# Altium PCB pqm_v2_310816.PcbDoc (part 1 of 2) (continued)
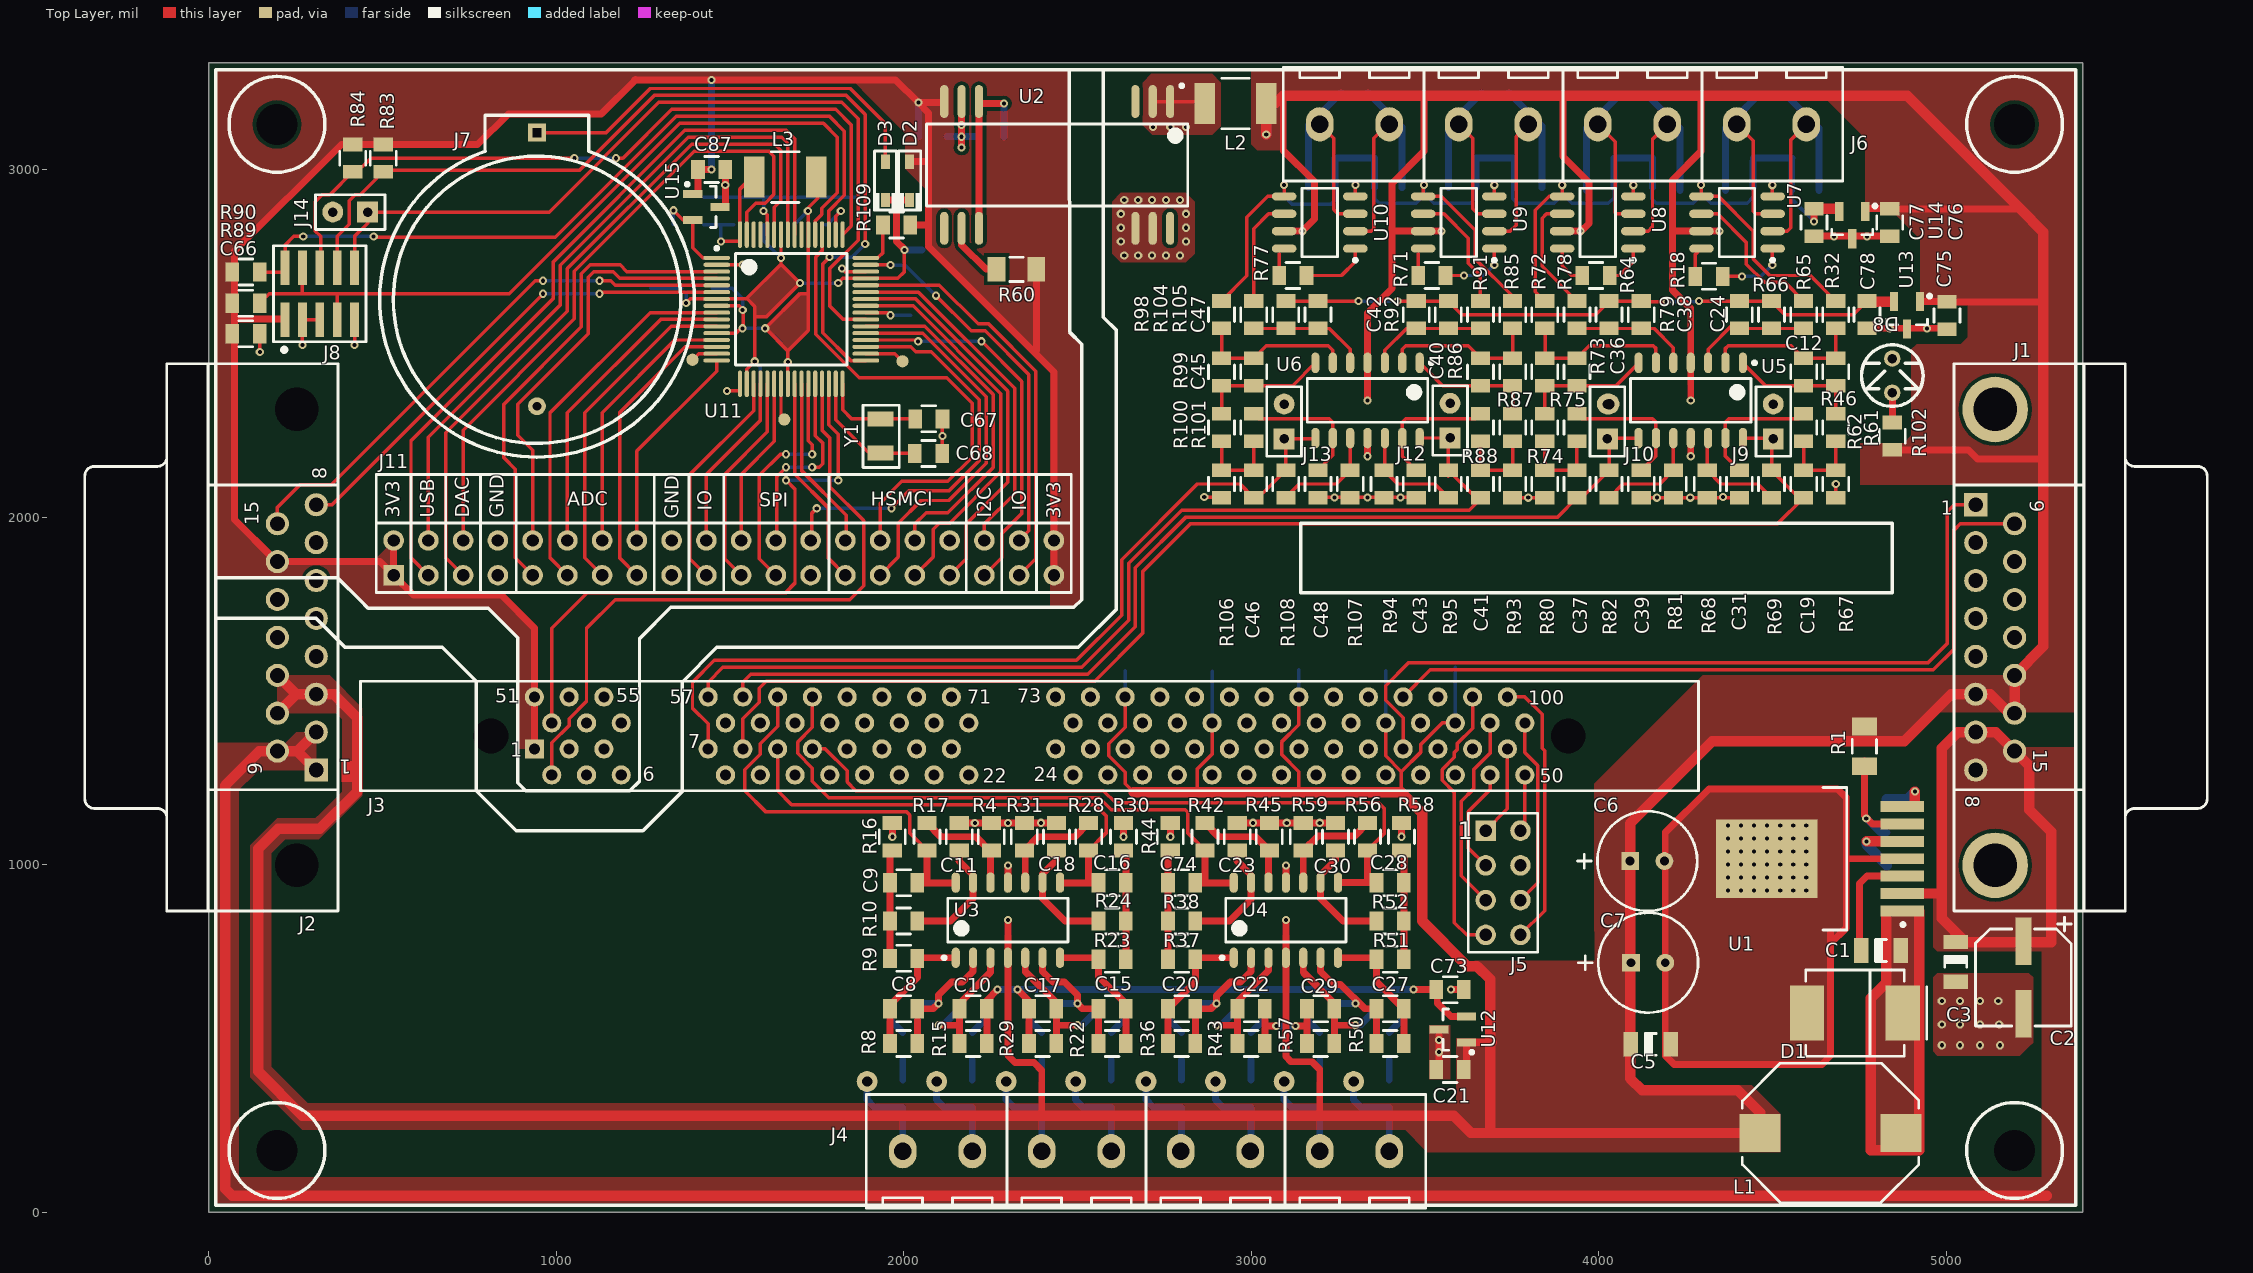
[diagram p0: Top Layer view]
## Components (designator, comment, footprint, x,y, rotation, side; value= is the part's Value field where it differs from the comment) (continued)
R104 "RES_RC0805FR-073K16L_YAGEO" RESC2013X065BN 3007.5,2582.5 r90 top
R105 "RES_RC0805FR-074K7L_YAGEO" RESC2013X065BN 3100,2582.5 r90 top
R106 "RES_RC0805FR-079K31L_YAGEO" RESC2013X065BN 2915,2095 r90 top
R107 "RES_RC0805FR-0710KL_YAGEO" RESC2013X065BN 3285,2095 r270 top
R108 "RES_RC0805FR-0710KL_YAGEO" RESC2013X065BN 3100,2095 r270 top
R109 "RES_AC0805JR-07100KL_YAGEO" RESC2013X065BN 1980,2840 r0 top
R110 "RES_RC0805FR-071RL_YAGEO" RESC2013X065BN 4497.5,3220 r0 bottom
R111 "RES_RC0805FR-07510KL_YAGEO" RESC2013X065BN 4195,3032.5 r0 bottom
R113 "RES_RC0805FR-07510KL_YAGEO" RESC2013X065BN 4005,3032.5 r0 bottom
R115 "RES_RC0805FR-07510KL_YAGEO" RESC2013X065BN 3797.5,3032.5 r0 bottom
R117 "RES_RC0805FR-07510KL_YAGEO" RESC2013X065BN 3605,3032.5 r0 bottom
R119 "RES_RC0805FR-07510KL_YAGEO" RESC2013X065BN 3395,3032.5 r0 bottom
R121 "RES_RC0805FR-07510KL_YAGEO" RESC2013X065BN 3205,3032.5 r0 bottom
U1 "IC_LM22673TJ-ADJ" TJ7A_N 4637.5,1016.63 r180 top
U2 "IC_DCR010503U_TI" SOP28 2441.87,3020.63 r270 top
U3 "IC_TLV2474_ANALOG" SOIC127P600-14AN 2300,840 r90 top
U4 "IC_TLV2474_ANALOG" SOIC127P600-14AN 3100,840 r90 top
U5 "IC_TLV2474_ANALOG" SOIC127P600-14AN 4265,2335.5 r270 top
U6 "IC_TLV2474_ANALOG" SOIC127P600-14AN 3335,2335.5 r270 top
U7 "IC_INA121U" SOIC127P600-8BN 4398.18,2847.5 r180 top
U8 "IC_INA121U" SOIC127P600-8BN 3997.5,2847.5 r180 top
U9 "IC_INA121U" SOIC127P600-8BN 3597.5,2847.5 r180 top
U10 "IC_INA121U" SOIC127P600-8BN 3197.5,2847.5 r180 top
U11 "IC_ATSAM4S8BA-AU_ATMEL" TQFP50P1000X1000X160-64N 1676.71,2597.97 r0 top
U12 "ISL21010_1V5" SOT23-3M 3580,525 r180 top
U13 "ISL21010_1V5" SOT23-3M 4887.4,2580.63 r270 top
U14 "ISL21010_2V5" SOT23-3M 4730,2840 r270 top
U15 "ISL21010_3V0" SOT23-3M 1432.5,2892.5 r0 top
Y1 "MSC_ECS-.327-12.5-34S-TR_ECS" XTAL3215X090N 1934.21,2232.97 r270 top

## Footprints (in the part's own frame and the unit in brackets; to place one, negate y for a bottom-side part, rotate by r counter-clockwise, add the part's x,y. Pads: shape width x height; smd on the part's side, far side on the other; paste and mask are expansions set on the pad)
788757-1#1 [mm] "Connector; D Subminiature AMPLIMITE 2000; 15 Position; Right Angle"
  rect 1.69x1.69 hole 1.09: 1(-9.695,-10.92)
  round 1.69 hole 1.09: 2(-6.925,-10.92) 3(-4.155,-10.92) 4(-1.385,-10.92) 5(1.385,-10.92) 6(4.155,-10.92) 7(6.925,-10.92) 8(9.695,-10.92) 9(-8.31,-8.08) 10(-5.54,-8.08) 11(-2.77,-8.08) 12(0,-8.08) 13(2.77,-8.08) 14(5.54,-8.08) 15(8.31,-8.08)
  round 4.8 hole 3.18: 16(-16.66,-9.5) 17(16.66,-9.5)
  silkscreen extent -20,-12.5 20,6
788757-1#2 [mm] "Connector; D Subminiature AMPLIMITE 2000; 15 Position; Right Angle"
  rect 1.69x1.69 hole 1.09: 1(-9.695,-10.92)
  round 1.69 hole 1.09: 2(-6.925,-10.92) 3(-4.155,-10.92) 4(-1.385,-10.92) 5(1.385,-10.92) 6(4.155,-10.92) 7(6.925,-10.92) 8(9.695,-10.92) 9(-8.31,-8.08) 10(-5.54,-8.08) 11(-2.77,-8.08) 12(0,-8.08) 13(2.77,-8.08) 14(5.54,-8.08) 15(8.31,-8.08)
  round 0 hole 3.18: 16(-16.66,-9.5) 17(16.66,-9.5)
  silkscreen extent -20,-12.5 20,6
BORNERAX8 [mm]
  oval 2x2.5 hole 1.3: 1(0,0) 2(5.08,0) 3(10.16,0) 4(15.24,0) 5(20.32,0) 6(25.4,0) 7(30.48,0) 8(35.56,0)
  silkscreen extent -2.66,-4.15 38.22,4.15, body extent -3.11,-4.05 38.1,4.05, height 10
CAPAE630770X770N [mm] "SMD Aluminum Electrolytic Capacitor; Body: 6.3x7.7 mm (DxL) // Source: UD series, Nichicon"
  rect 3.5x1.2 smd: 1(2.65,0) 2(-2.65,0)
  silkscreen extent -3.55,-3.5 4.4,3.5, body extent -3.65,-3.3 3.65,3.3, height 7.7
CAPC2013X110N [mm] "Chip Capacitor, 0805, Body 2.0x1.3mm, IPC Medium Density"
  rect 1x1.4 smd: 1(-1,0) 2(1,0)
  silkscreen extent -0.5,-0.95 0.5,0.95, body extent -1,-0.62 1,0.63, height 0.6
CAPC3216X135N_B [mm] "Chip Capacitor, 1206, UL840 2mm, Body 3.2x1.6mm, IPC Medium Density"
  rect 1.05x1.8 smd: 1(-1.45,0) 2(1.45,0)
  silkscreen extent -0.4,-0.8 0.4,0.8, body extent -1.6,-0.8 1.6,0.8, height 0.79
CAPPRD250W50D630H1250 [mm] "Capacitor, Polarized Radial Diameter, 2.5 Lead Spacing, 0.5 Lead Width, 6.3 Diameter, 12.5 Height"
  rect 1.3x1.3 hole 0.65: 1(0,-1.25)
  round 1.3 hole 0.65: 2(0,1.25)
  silkscreen extent -3.65,-5.1 3.65,3.65, body extent -3.18,-3.18 3.18,3.18, height 13.03
CON_BAT_2032 [mm]
  rect 1.3x1.3 hole 0.65 square: 1(12.223,0)
  round 1.3 hole 0.65: 2(-7.778,0)
  silkscreen extent -11.5,-11.5 13.51,11.5, body extent -11.44,-11 13.06,11, height 8.5
DIMM1.27-2V100 [mm] "Connector; DIMM II; 100 Position; Vertical"
  rect 1.4x1.4 hole 0.81: 1(-36.195,-0.95)
  round 1.4 hole 0.81: 2(-34.925,-2.85) 3(-33.655,-0.95) 4(-32.385,-2.85) 5(-31.115,-0.95) 6(-29.845,-2.85) 7(-23.495,-0.95) 8(-22.225,-2.85) 9(-20.955,-0.95) 10(-19.685,-2.85) 11(-18.415,-0.95) 12(-17.145,-2.85) 13(-15.875,-0.95) 14(-14.605,-2.85) 15(-13.335,-0.95) 16(-12.065,-2.85) 17(-10.795,-0.95) 18(-9.525,-2.85) 19(-8.255,-0.95) 20(-6.985,-2.85) 21(-5.715,-0.95) 22(-4.445,-2.85) 23(1.905,-0.95) 24(3.175,-2.85) 25(4.445,-0.95) 26(5.715,-2.85) 27(6.985,-0.95) 28(8.255,-2.85) 29(9.525,-0.95) 30(10.795,-2.85) 31(12.065,-0.95) 32(13.335,-2.85) 33(14.605,-0.95) 34(15.875,-2.85) 35(17.145,-0.95) 36(18.415,-2.85) 37(19.685,-0.95) 38(20.955,-2.85) 39(22.225,-0.95) 40(23.495,-2.85) 41(24.765,-0.95) 42(26.035,-2.85) 43(27.305,-0.95) 44(28.575,-2.85) 45(29.845,-0.95) 46(31.115,-2.85) 47(32.385,-0.95) 48(33.655,-2.85) 49(34.925,-0.95) 50(36.195,-2.85) 51(-36.195,2.85) 52(-34.925,0.95) 53(-33.655,2.85) 54(-32.385,0.95) 55(-31.115,2.85) 56(-29.845,0.95) 57(-23.495,2.85) 58(-22.225,0.95) 59(-20.955,2.85) 60(-19.685,0.95) 61(-18.415,2.85) 62(-17.145,0.95) 63(-15.875,2.85) 64(-14.605,0.95) 65(-13.335,2.85) 66(-12.065,0.95) 67(-10.795,2.85) 68(-9.525,0.95) 69(-8.255,2.85) 70(-6.985,0.95) 71(-5.715,2.85) 72(-4.445,0.95) 73(1.905,2.85) 74(3.175,0.95) 75(4.445,2.85) 76(5.715,0.95) 77(6.985,2.85) 78(8.255,0.95) 79(9.525,2.85) 80(10.795,0.95) 81(12.065,2.85) 82(13.335,0.95) 83(14.605,2.85) 84(15.875,0.95) 85(17.145,2.85) 86(18.415,0.95) 87(19.685,2.85) 88(20.955,0.95) 89(22.225,2.85) 90(23.495,0.95) 91(24.765,2.85) 92(26.035,0.95) 93(27.305,2.85) 94(28.575,0.95) 95(29.845,2.85) 96(31.115,0.95) 97(32.385,2.85) 98(33.655,0.95) 99(34.925,2.85) 100(36.195,0.95)
  round 0 hole 2.54: 101(-39.365,0) 102(39.365,0)
  silkscreen extent -48.9,-4 48.9,4, body extent -48.9,-4 48.9,4, height 23.82
DIOM7959X262N [mm] "Molded Diode, JEDEC DO-214AB (SMC), 7.9mmX5.9mm"
  rect 2.5x4 smd: 1(-3.5,0) 2(3.5,0)
  silkscreen extent -5.25,-3.15 3.6,3.15, body extent -3.98,-2.95 3.97,2.95, height 2.3
FCI_20021121-00010C4LF [mil] "CONNECTOR, MICRO TERMINAL STRIP, 10POS, 2ROW, 1.27MM"
  rect 100x25 smd: 1(-75,100) 2(75,100) 3(-75,50) 4(75,50) 5(-75,0) 6(75,0) 7(-75,-50) 8(75,-50) 9(-75,-100) 10(75,-100)
  silkscreen extent -163,-133 138,133, body extent -108,-125 108,125, height 176
HDR2X4 [mm]
  rect 1.5x1.5 hole 0.9: 1(0,0)
  round 1.5 hole 0.9: 2(0,2.54) 3(2.54,0) 4(2.54,2.54) 5(5.08,0) 6(5.08,2.54) 7(7.62,0) 8(7.62,2.54)
  silkscreen extent -1.27,-1.27 8.89,3.81, body extent -1.27,-1.27 8.89,3.81, height 9.27
HEADERX70 [mm]
  rect 1.5x1.5 hole 0.9: 1(-43.18,-1.27)
  round 1.5 hole 0.9: 2(-43.18,1.27) 3(-40.64,-1.27) 4(-40.64,1.27) 5(-38.1,-1.27) 6(-38.1,1.27) 7(-35.56,-1.27) 8(-35.56,1.27) 9(-33.02,-1.27) 10(-33.02,1.27) 11(-30.48,-1.27) 12(-30.48,1.27) 13(-27.94,-1.27) 14(-27.94,1.27) 15(-25.4,-1.27) 16(-25.4,1.27) 17(-22.86,-1.27) 18(-22.86,1.27) 19(-20.32,-1.27) 20(-20.32,1.27) 21(-17.78,-1.27) 22(-17.78,1.27) 23(-15.24,-1.27) 24(-15.24,1.27) 25(-12.7,-1.27) 26(-12.7,1.27) 27(-10.16,-1.27) 28(-10.16,1.27) 29(-7.62,-1.27) 30(-7.62,1.27) 31(-5.08,-1.27) 32(-5.08,1.27) 33(-2.54,-1.27) 34(-2.54,1.27) 35(0,-1.27) 36(0,1.27) 37(2.54,-1.27) 38(2.54,1.27) 39(5.08,-1.27) 40(5.08,1.27)
  silkscreen extent -44.45,-2.54 6.35,6.1
INDC4532X170N [mm] "Chip Inductor, Body 4.5x3.2mm, IPC Medium Density"
  rect 1.5x3 smd: 1(-2.25,0) 2(2.25,0)
  silkscreen extent -1,-1.85 1,1.85, body extent -2.25,-1.6 2.25,1.6
Led [mm]
  round 1.2 hole 0.7: 1(0,0) 2(2.5,0)
  silkscreen extent -1,-2.25 3.5,2.25, body extent -0.39,-1.65 2.91,1.64, height 6.02
MAG_INDUCTOR2A [mm] "Precision Wire Wound Inductor, 2-Leads, Body 12,7x10,0mm, IPC Medium Density"
  rect 3x2.8 smd: 1(-5.15,0) 2(5.15,0)
  silkscreen extent -6.45,-5.1 6.45,5.1, body extent -6.48,-5.15 6.5,5.1, height 5.2
RAD2 [mil] "Radial Cap, Thru-Hole; 2 Leads; 0.1 in Pin Spacing"
  rect 60x60 hole 27.56: 1(-50,0)
  round 60 hole 27.56: 2(50,0)
  silkscreen extent -100,-50 100,50, body extent -97,-51 103,47, height 330
RESC2013X065BN [mm] "Chip Resistor, 0805, Body 2.0x1.3mm, Pads modified for 1mm spacing."
  rect 1x1.4 smd: 1(-1,0) 2(1,0)
  silkscreen extent -0.5,-0.95 0.5,0.95, body extent -1,-0.62 1,0.63, height 0.45
RESC3216N [mm] "Chip Resistor, Body 3.2x1.6mm, IPC Medium Density"
  rect 1.3x1.8 smd: 1(-1.45,0) 2(1.45,0)
  silkscreen extent -0.5,-0.9 0.5,0.87, body extent -1.6,-0.8 1.6,0.8, height 0.55
SOD2512X097N [mm] "SOD-323, 2 Lead, Conforming to JEITA SC90 standard // Source: SOD-323 Package 2008, Fairchild"
  rect 1.05x0.65 smd: 1(-1.4,0) 2(1.4,0)
  silkscreen extent -2.15,-0.8 2.18,0.8, body extent -1.3,-0.67 1.3,0.68, height 1.1
SOIC127P600-8BN [mm] "SOIC, 8-Leads, Body 4.9x3.9mm, Pitch 1.27mm, IPC Medium Density"
  oval 1.8x0.6 smd: 1(-2.6,1.905) 2(-2.6,0.635) 3(-2.6,-0.635) 4(-2.6,-1.905) 5(2.6,-1.905) 6(2.6,-0.635) 7(2.6,0.635) 8(2.6,1.905)
  silkscreen extent -2.73,-2.5 1.3,2.88, body extent -3,-2.45 3,2.45, height 1.75
SOIC127P600-14AN [mm] "SOIC, 14-Leads, Body 8.6x3.9mm, Pitch 1.27mm, IPC Medium Density"
  oval 1.5x0.6 smd: 1(-2.75,3.81) 2(-2.75,2.54) 3(-2.75,1.27) 4(-2.75,0) 5(-2.75,-1.27) 6(-2.75,-2.54) 7(-2.75,-3.81) 8(2.75,-3.81) 9(2.75,-2.54) 10(2.75,-1.27) 11(2.75,0) 12(2.75,1.27) 13(2.75,2.54) 14(2.75,3.81)
  silkscreen extent -2.87,-4.4 1.6,4.78, body extent -3,-4.37 3,4.38, height 1.75
SOP28 [mm] "28-Pin Plastic Battery Snaphat Small Outline Package 1.27 mm Pitch"
  oval 2.4x0.6 smd: 1(-4.445,8.255) 2(-4.445,6.985) 3(-4.445,5.715) 12(-4.445,-5.715) 13(-4.445,-6.985) 14(-4.445,-8.255) 15(4.826,-8.255) 16(4.826,-6.985) 17(4.826,-5.715) 26(4.826,5.715) 27(4.826,6.985) 28(4.826,8.255)
  silkscreen extent -5.72,-9.55 3.19,9.55
SOT23-3M [mm] "SOT23, 3-Leads, Body 2.9x1.3mm, Pitch 0.95mm, Lead Span 2.5mm, IPC Low Density"
  rect 1.397x0.6 smd: 1(-1,0.95) 2(-1,-0.95) 3(1,0)
  silkscreen extent -1.52,-1.5 0.7,1.78, body extent -1.25,-1.5 1.25,1.5, height 1.06
TJ7A_N [mm] "D2-PAK, 8-Leads, Body 9.9x10.2mm, Pitch 1.27mm, Lead Span 14mm, IPC Medium Density"
  rect 3.2x0.8 smd: 1(-6,3.81) 2(-6,2.54) 3(-6,1.27) 4(-6,0) 5(-6,-1.27) 6(-6,-2.54) 7(-6,-3.81)
  rect 7.4x5.75 smd: 8(3.9,0)
  silkscreen extent -6.18,-5.2 -0.2,5.2, body extent -1.95,-5.2 8.15,5.2, height 2.1
TQFP50P1000X1000X160-64N [mm] "TQFP, 64-Leads, Body 10,00x10,00mm, Pitch 0,50mm, IPC Medium Density"
  oval 1.95x0.3 smd: 1(-5.45,3.75) 2(-5.45,3.25) 3(-5.45,2.75) 4(-5.45,2.25) 5(-5.45,1.75) 6(-5.45,1.25) 7(-5.45,0.75) 8(-5.45,0.25) 9(-5.45,-0.25) 10(-5.45,-0.75) 11(-5.45,-1.25) 12(-5.45,-1.75) 13(-5.45,-2.25) 14(-5.45,-2.75) 15(-5.45,-3.25) 16(-5.45,-3.75) 33(5.45,-3.75) 34(5.45,-3.25) 35(5.45,-2.75) 36(5.45,-2.25) 37(5.45,-1.75) 38(5.45,-1.25) 39(5.45,-0.75) 40(5.45,-0.25) 41(5.45,0.25) 42(5.45,0.75) 43(5.45,1.25) 44(5.45,1.75) 45(5.45,2.25) 46(5.45,2.75) 47(5.45,3.25) 48(5.45,3.75)
  oval 0.3x1.95 smd: 17(-3.75,-5.45) 18(-3.25,-5.45) 19(-2.75,-5.45) 20(-2.25,-5.45) 21(-1.75,-5.45) 22(-1.25,-5.45) 23(-0.75,-5.45) 24(-0.25,-5.45) 25(0.25,-5.45) 26(0.75,-5.45) 27(1.25,-5.45) 28(1.75,-5.45) 29(2.25,-5.45) 30(2.75,-5.45) 31(3.25,-5.45) 32(3.75,-5.45) 49(3.75,5.45) 50(3.25,5.45) 51(2.75,5.45) 52(2.25,5.45) 53(1.75,5.45) 54(1.25,5.45) 55(0.75,5.45) 56(0.25,5.45) 57(-0.25,5.45) 58(-0.75,5.45) 59(-1.25,5.45) 60(-1.75,5.45) 61(-2.25,5.45) 62(-2.75,5.45) 63(-3.25,5.45) 64(-3.75,5.45)
  silkscreen extent -5.57,-4.08 4.08,4.57, body extent -5.79,-5.79 5.79,5.79, height 1
XTAL3215X090N [mm] "Crystal, Body: 3.2mmm X 1.5mm"
  rect 1.1x1.9 smd: 1(-1.25,0) 2(1.25,0)
  silkscreen extent -2.25,-1.3 2.3,1.35, body extent -1.6,-0.75 1.6,0.75, height 0.9

## Part data
C1: "10000pF, 630 V, Capacitores cerámicos, X7R, 1206 (3216 métrico), 0.126\" L x 0.063\" A (3.20 mm x 1.60 mm)"
C2: "47µF 50V Aluminum Capacitors Radial, Can - SMD 2000 Hrs @ 85°C"
C3 C4 C7 C26 C32: "1 µF, 25 V, Capacitores cerámicos, X7R, 1206 (3216 métrico), 0.126\" L x 0.063\" A (3.20 mm x 1.60 mm)"
C5 C6: "120µF 25V Aluminum Capacitors Radial, Can 1000 Hrs @ 105°C"
C8 C9 C10 C11 C12 C15 C16 C17 C18 C19 C20 C22 C23 C24 C27 C28 C29 C30 C31 C36 C37 C38 C39 C40 C41 C42 C43 C45 C46 C47 C48 C74: "CAP CER 10000PF 50V NP0 0805"
C13 C14 C25 C35 C44 C49 C50 C51 C52 C53 C55 C56 C57 C58 C61 C62 C63 C64 C65 C66 C69 C70 C71 C72: "CAP CER 0.1UF 25V 10% X7R 0805"
C21 C34 C73 C75 C76 C77 C78 C87 C88: "CAP CER 1UF 16V X7R 0805"
C33: "CAP CER 2.2UF 16V X7R 1206"
C54 C59 C60: "CAP CER 10UF 16V 10% X6S 0805"
C67 C68: "CAP CER 15PF 50V NP0 0805"
C79 C80 C81 C82 C83 C84 C85 C86: "CAP CER 100PF 50V NPO 0805"
D1: "DIODE SCHOTTKY 60V 3A SMC"
D2 D3: "DIODE SCHOTTKY 20V 500MA SMINI2"
D8: library part LED0
J1 J2: library part 788781-1, "Receptacle Assembly, 15 Position, Right Angle, 8.08mm Series, Amplimite, with Screwlocks"
J3: library part CON_DIM_100
J4 J6: library part CON_HeaderX8
J7: "HOLDER COINCELL 2032 RETAINRCLIP"
J8: "CONN HEADER 10POS DL UNSHRD SMD"
L1 L2 L3: "FIXED IND 10UH 2A 65 MOHM SMD"
R1: "RES SMD 2.55K OHM 1% 1/4W 1206"
R2: "RES SMD 8.2K OHM 5% 1/4W 1206"
R3: "RES SMD 7.32K OHM 1% 1/4W 1206"
R4 R17 R28 R31 R42 R45 R56 R59 R68 R69 R81 R82 R94 R95 R107 R108: "RES SMD 10K OHM 1% 1/8W 0805"
R5 R6 R7 R11 R12 R13 R19 R20 R21 R25 R26 R27 R33 R34 R35 R39 R40 R41 R47 R48 R49 R53 R54 R55: "RES SMD 412K OHM 1% 1/8W 0805"
R8 R10 R15 R22 R24 R29 R36 R38 R43 R46 R50 R52 R57 R62 R66 R73 R75 R79 R86 R88 R92 R99 R101 R105: "RES SMD 4.7K OHM 1% 1/8W 0805"
R9 R16 R23 R30 R37 R44 R51 R58 R61 R67 R74 R80 R87 R93 R100 R106: "RES SMD 9.31K OHM 1% 1/8W 0805"
R14 R103 R111 R113 R115 R117 R119 R121: "RES SMD 510K OHM 1% 1/8W 0805"
R18 R64 R71 R77: "RES SMD 49.9K OHM 1% 1/8W 0805"
R32 R65 R72 R78 R85 R91 R98 R104: "RES SMD 3.16K OHM 1% 1/8W 0805"
R60: "RES SMD 10K OHM 1% 1/4W 1206"
R63 R70 R76 R110: "RES SMD 1 OHM 1% 1/8W 0805"
R83 R84 R89 R90 R109: "RES SMD 100K OHM 5% 1/8W 0805"
R96 R97: "RES SMD 10K OHM 5% 1/8W 0805"
R102: "RES SMD 330 OHM 5% 1/8W 0805"
U1: "3A SIMPLE SWITCHER® Step-Down Voltage Regulator with Adjustable Soft-Start and Current Limit, 7-pin TO-263 Thin"
U2: "IC REG ISOLATED 3.3V 0.3A 12SOP"
U3 U4 U5 U6: "IC OPAMP GP 2.8MHZ RRO 14SOIC"
U7 U8 U9 U10: "IC OPAMP INSTR 600KHZ 8SOIC"
U11: "IC MCU 32BIT 512KB FLASH 64LQFP"
U12 U13: library part IC_ISL21010_1V5_INTERSIL, "IC VREF SERIES 1.5V SOT23-3"
U14: library part IC_ISL21010_2V5_INTERSIL, "IC VREF SERIES 2.5V SOT23-3"
U15: library part IC_ISL21010_3V0_INTERSIL, "IC VREF SERIES 3V SOT23-3"
Y1: "CRYSTAL 32.7680KHZ 12.5PF SMD"

## Free pads (board coordinates)
  round 0 hole 118.11 unplated: 0(196.85,177.17) 0(196.85,3129.92) 0(5196.85,177.17) 0(5196.85,3129.92)
  round 60 hole 30: 1(1895,375.63) 2(2095,375.63) 3(2295,375.63) 4(2495,375.63) 5(2697.5,375.63) 6(2897.5,375.63) 7(3095,375.63) 8(3295,375.63) 13(4030,2325)
  round 35 smd: 2(1392.5,2452.5) 2(1656.87,2280.63) 34(1996.87,2448.13)

## Via types
v1: diameter 23.62, hole 11.81, Top Layer to Bottom Layer, 198 vias

## Nets (pads, with @x,y where several pads share a name; then routed paths per layer and width w, separated by ;. In a path a pad name is that pad's centre, name@x,y a point inside that pad or via, vN(x,y) a via of type N, cw(c..) or ccw(c..) an arc to the next point about the centre after c; other vN are vias at no path point)
3.3V_ISO: C14.1 C66.1 C87.1 D2.2 J2.14 J3.1 J3.51 J8.1 J11.1 J11.2 J11.39 J11.40 R60.2 R83.2 R84.2 R89.2 R90.2 R109.2 U2.14 U15.1 | length 6942.1
  Top Layer w20: 77.5,2570 120.91,2570 120.97,2570.06 217.44,2570.06 J8.1@220,2567.5 ; J11.2@532.5,1932.5 J11.1@532.5,1832.5 ; J3.1@937.5,1342.6 937.5,1680 842.5,1775 590,1775 J11.1@532.5,1832.5 ; 1225,3258.13 1228.13,3258.13 ; 1228.75,3258.75 1228.13,3258.13 ; U15.1@1408.13,2930 C87.1@1408.13,3000 v1(1447.5,3000) ; D2.2@2017.5,3022.62 2071.75,3022.62 ; R109.2@2019.37,2840 2069.37,2840 ; 2071.87,2778.54 2432.5,2417.91 J11.40@2432.5,1932.5 J11.39@2432.5,1832.5 ; 2071.87,2785 2071.87,3163.13 v1(2042.5,3192.5) ; U2.14@2116.87,3192.5 v1(2042.5,3192.5) ; 2381.87,2479.37 R60.2@2381.87,2713.13 ; J11.1@532.5,1832.5 493.35,1871.65 203.35,1871.65 195,1880 187.5,1880 75,1992.5 75,2765 381.87,3071.87 R83.2@502.5,3071.87 774.37,3071.87 862.5,3160 1130,3160 1228.13,3258.13 ; 1228.13,3258.13 1976.87,3258.13 v1(2042.5,3192.5)
  Bottom Layer w20: v1(1447.5,3000) v1(1447.5,3257.5) ; C14.1@2042.5,3093.13 v1(2042.5,3192.5)
+5V: C5.1 C6.1 C7.1 C13.1 C21.1 C25.1 C26.1 C35.1 C44.1 C49.1 C50.1 C51.1 C52.1 C53.1 C69.1 C70.1 C71.1 C72.1 C75.1 C76.1 J1.6 J1.13 J1.14 J2.3 J2.10 J2.11 J3.77 J3.82 J3.87 J3.92 J3.96 L1.2 L2.1 R1.1 R102.2 U3.4 U4.4 U5.4 U6.4 U7.7 U8.7 U9.7 U10.7 U12.1 U13.1 U14.1 | length 22291
  Top Layer w10: J3.77@2637.5,1482.2 2637.5,1395 2590,1347.5 2590,1312.5 2637.5,1265 2637.5,1232.5 2662.5,1207.5 ; 2845,1207.5 2845,1275 2887.5,1317.5 J3.82@2887.5,1407.4 ; 3137.5,1207.5 3137.5,1267.5 3087.5,1317.5 3087.5,1352.5 3137.5,1402.5 J3.87@3137.5,1482.2 ; J3.92@3387.5,1407.4 3387.5,1312.5 3432.5,1267.5 ; 3432.5,1207.5 3432.5,1267.5 ; J3.96@3587.5,1407.4 3549.9,1407.4 3487.5,1345 3487.5,1322.5 3432.5,1267.5
  Top Layer w20: v1(2300,840) U3.4@2300,731.73 2300,450 2320,430 2375,430 2397.5,407.5 2397.5,277.5 ; 3092.5,3212.5 3092.5,3055 3182.5,2965 3182.5,2857.5 v1(3147.5,2822.5) U10.7@3095.14,2822.5 ; v1(3100,840) U4.4@3100,731.73 3100,447.5 3115,432.5 3175,432.5 3197.5,410 3197.5,277.5 ; v1(3335,2335) 3335,2587.5 3405,2657.5 3405,2960 3497.5,3052.5 3497.5,3212.5 ; 3407.5,2822.5 U9.7@3495.14,2822.5 v1(3547.5,2822.5) ; C21.1@3619.37,417.5 U12.1@3619.37,487.6 3687.5,487.6 3697.6,487.6 ; U8.7@3895.14,2822.5 v1(3947.5,2822.5) 3950,2822.5 3972.5,2845 3972.5,2962.5 3897.5,3037.5 3897.5,3212.5 ; 4212.5,2822.5 v1(4347.5,2822.5) ; v1(4265,2335) 4265,2600 4212.5,2652.5 4212.5,2970 4295,3052.5 4295,3212.5 ; U14.1@4767.4,2887.24 C76.1@4837.13,2887.24 ; C76.1@4837.5,2886.87 5213.13,2886.87 ; R102.2@4858.13,2193.13 5064.37,2193.13 5090,2167.5 5280,2167.5 ; U13.1@4924.8,2620 5002.5,2620 C75.1@5002.5,2619.37 5275.63,2619.37
  Top Layer w30: J2.10@198.11,1435.43 252.64,1489.96 ; J2.11@198.11,1544.49 252.64,1489.96 ; 2662.5,1207.5 2845,1207.5 3137.5,1207.5 3432.5,1207.5 3492.5,1147.5 3492.5,837.5 3622.5,707.5 3650,707.5 3687.5,670 3687.5,487.6 3687.5,230 ; v1(3043.58,3101.08) L2.1@3043.58,3190 3070,3190 3092.5,3212.5 3497.5,3212.5 3897.5,3212.5 4295,3212.5 4887.5,3212.5 5213.13,2886.87 5280,2820 5280,2167.5 5280,1627.6 J1.13@5196.89,1544.49 J1.14@5196.89,1435.43 ; J1.14@5182.11,1435.43 5127.58,1489.96 5049.96,1489.96 5050,1490 5014.59,1490 4879.59,1355 4327.5,1355 4090.79,1118.29 C6.1@4090.79,1010 4090.79,384.21 4125,350 4400,350 4464.74,285.26 L1.2@4464.74,227.5 3632.5,227.5 3582.5,277.5 3197.5,277.5 2397.5,277.5 270,277.5 142.5,405 142.5,1045 200,1102.5 320,1102.5 427.5,1210 427.5,1422.5 360.04,1489.96 J2.3@309.92,1489.96 252.64,1489.96
  Bottom Layer w10: J3.77@2637.5,1482.2 C49.1@2637.5,1558.13 ; J3.82@2887.5,1407.4 C50.1@2887.5,1555.63 ; J3.87@3137.5,1482.2 C51.1@3137.5,1560.63 ; J3.92@3387.5,1407.4 C52.1@3387.5,1558.13 ; J3.96@3587.5,1407.4 C53.1@3587.5,1568.13
  Bottom Layer w20: C13.1@2300,800.63 v1(2300,840) ; C25.1@3100,800.63 v1(3100,840) ; C35.1@3108.13,2822.5 v1(3147.5,2822.5) ; v1(3335,2335) C72.1@3335,2374.37 ; C44.1@3508.13,2822.5 v1(3547.5,2822.5) ; C69.1@3908.13,2822.5 v1(3947.5,2822.5) ; v1(4265,2335) C71.1@4265,2374.37 ; C70.1@4308.13,2822.5 v1(4347.5,2822.5)
  Bottom Layer w30: v1(3043.58,3101.08) C26.1@3043.58,3158.17
AD0: J11.11 U11.9 | length 1087.2
  Top Layer w10: J11.11@1032.5,1832.5 982.5,1882.5 982.5,2300 1270.63,2588.13 U11.9@1462.15,2588.13
AD1: J11.12 U11.10 | length 908.3
  Top Layer w10: J11.12@1032.5,1932.5 1032.5,2300 1300.94,2568.44 U11.10@1462.15,2568.44
AD2: J11.14 U11.13 | length 783.9
  Top Layer w10: J11.14@1132.5,1932.5 1132.5,2300 1341.89,2509.39 U11.13@1462.15,2509.39
AD3: J11.16 U11.16 | length 613
  Top Layer w10: J11.16@1232.5,1932.5 1232.5,2190 1462.15,2419.65 U11.16@1462.15,2450.33
AD4: J11.9 U11.3 | length 1402.1
  Top Layer w10: J11.9@932.5,1832.5 882.5,1882.5 882.5,2137.5 850,2170 850,2325 1072.5,2547.5 1072.5,2700 1098.11,2725.61 1184.39,2725.61 1203.76,2706.24 U11.3@1462.15,2706.24
AD5: J11.10 U11.4 | length 1243.2
  Top Layer w10: J11.10@932.5,1932.5 932.5,2192.5 890,2235 890,2325 1092.5,2527.5 1092.5,2690 1108.43,2705.93 1164.07,2705.93 1183.44,2686.56 U11.4@1462.15,2686.56
AD8: J11.13 U11.11 | length 970.9
  Top Layer w10: J11.13@1132.5,1832.5 1082.5,1882.5 1082.5,2300 1331.26,2548.76 U11.11@1462.15,2548.76
AD9: J11.15 U11.14 | length 846.4
  Top Layer w10: J11.15@1232.5,1832.5 1182.5,1882.5 1182.5,2300 1372.2,2489.7 U11.14@1462.15,2489.7
ADVREF: C88.1 U11.1 U15.2 | length 269.2
  Top Layer w10: v1(1337.5,2882.5) 1364.9,2855.1 U15.2@1393.13,2855.1 1393.13,2774.37 1421.89,2745.61 U11.1@1462.15,2745.61
  Bottom Layer w10: C88.1@1337.5,2841.89 v1(1337.5,2882.5)
AGND: C2.2 C3.2 C4.2 C5.2 C6.2 C7.2 C11.1 C13.2 C18.1 C21.2 C23.1 C25.2 C26.2 C30.1 C31.1 C32.2 C33.2 C35.2 C39.1 C43.1 C44.2 C48.1 C49.2 C50.2 C51.2 C52.2 C53.2 C69.2 C70.2 C71.2 C72.2 C73.2 C75.2 C76.2 C77.2 C78.2 D1.2 D8.2 J1.4 J1.5 J1.12 J2.4 J2.5 J2.12 J3.8 J3.10 J3.12 J3.14 J3.27 J3.37 J3.47 J3.58 J3.60 J3.62 J3.64 J5.4 J9.2 J10.2 J12.2 J13.2 pad.13 R2.1 R3.2 R4.2 R16.1 R30.2 R31.2 R44.2 R45.2 R58.1 R59.2 R67.1 R68.2 R80.1 R81.2 R93.1 R94.2 R106.1 R107.2 U1.4 U1.8 U2.26 U2.27 U3.11 U4.11 U5.11 U6.11 U7.4 U8.4 U9.4 U10.4 U12.3 U13.3 U14.3 | length 5064.9
  Top Layer w10: v1(2865,2057.5) R106.1@2913.13,2057.5 ; C48.1@3192.5,2056.26 C43.1@3475,2056.26 ; U10.4@3299.86,2922.5 v1@3299.86,2955 ; U9.4@3699.86,2922.5 v1(3699.86,2954.86) ; R93.1@3752.5,2055.63 R80.1@3845,2055.63 ; U8.4@4099.86,2922.5 v1(4099.86,2954.86) ; C39.1@4122.5,2055.63 C31.1@4405,2055.63 ; U7.4@4499.86,2922.5 v1(4499.86,2954.86) ; R67.1@4682.5,2055.63 v1(4682.5,2095)
  Top Layer w20: v1(1967.5,1080) R16.1@1967.5,1119.37 ; C11.1@2160,1119.37 C18.1@2440,1119.37 ; U3.11@2300,948.27 v1(2300,997.5) ; v1(2632.5,1080) R30.2@2632.5,1119.37 ; v1(2767.5,1080) R44.2@2767.5,1119.37 ; C23.1@2960,1119.37 C30.1@3242.5,1119.37 ; U4.11@3100,948.27 v1(3100,997.5) ; v1(3335,2175) U6.11@3335,2227.36 ; v1(3432.5,1080) R58.1@3432.5,1119.37 ; C21.2@3540.63,417.5 U12.3@3540.63,525 ; v1(3575,640) C73.2@3614.37,640 ; v1(4265,2175) U5.11@4265,2226.73 ; C77.2@4620,2808.13 C76.2@4837.5,2808.13 ; 4667.5,772.5 4712.5,817.5 4712.5,1016.63 ; 4667.5,805 4667.5,450 4642.5,425 4217.5,425 4191.71,450.79 4191.71,1091.71 4317.5,1217.5 4687.5,1217.5 4712.5,1192.5 4712.5,1016.63 ; C78.2@4772.5,2543.13 C75.2@5000,2543.13 ; U1.4@4873.72,1016.63 4712.5,1016.63
  other v1: 3540.63,460 4987.5,480 5040,480 5097.5,480 5155,480 3540.63,495 4987.5,540 5040,540 5097.5,540 5152.5,540 4987.5,607.5 5040,607.5 5097.5,607.5 5150,607.5 4372.5,925 4410,925 4447.5,925 4485,925 4522.5,925 4560,925 4597.5,925 4372.5,962.5 4410,962.5 4447.5,962.5 4485,962.5 4522.5,962.5 4560,962.5 4597.5,962.5 4372.5,1000 4410,1000 4447.5,1000 4485,1000 4522.5,1000 4560,1000 4597.5,1000 4372.5,1037.5 4410,1037.5 4447.5,1037.5 4485,1037.5 4522.5,1037.5 4560,1037.5 4597.5,1037.5 4372.5,1075 4410,1075 4447.5,1075 4485,1075 4522.5,1075 4560,1075 4597.5,1075 4372.5,1112.5 4410,1112.5 4447.5,1112.5 4485,1112.5 4522.5,1112.5 4560,1112.5 4597.5,1112.5 2205,1119.37 2300,1119.37 2395,1120 3005,1120 3102.5,1120 3197.5,1120 3240,2056.26 3335,2056.26 3430,2056.26 3797.5,2055.63 4167.5,2055.63 4263.75,2055.63 4357.5,2057.5 4837.5,2542.5 4945,2542.5 2635,2752.5 2675,2752.5 2715,2752.5 2755,2752.5 2795,2752.5 2625,2792.5 2812.5,2792.5 4677.5,2807.5 4772.5,2807.5 2625,2832.5 2812.5,2832.5 2625,2872.5 2812.5,2872.5 2635,2912.5 2675,2912.5 2715,2912.5 2755,2912.5 2795,2912.5 3300,2955
DAC0: J11.5 U11.59 | length 2083.4
  Top Layer w10: J11.5@732.5,1832.5 682.5,1882.5 682.5,2242.5 1032.5,2592.5 1032.5,2715 1390,3072.5 ; 1380,3062.5 1390.63,3073.13 1629.37,3073.13 1646.87,3055.63 1646.87,2910.63 1627.5,2891.26 U11.59@1627.5,2812.54
DAC1: J11.6 U11.63 | length 1905.7
  Top Layer w10: J11.6@732.5,1932.5 732.5,2250 1052.5,2570 1052.5,2707.5 1397.5,3052.5 1417.5,3052.5 ; 1416.87,3053.13 1611.87,3053.13 1626.87,3038.13 1626.87,2928.13 1601.87,2903.13 1574.37,2903.13 1548.76,2877.52 U11.63@1548.76,2812.54
EMU0: J3.100 J5.6 | length 546.2
  Top Layer w10: J5.6@3775,897.5 3825.06,947.56 3825.06,1284.94 3787.5,1322.5 J3.100@3787.5,1407.4
EMU1: J3.50 J5.2 | length 174.4
  Top Layer w10: J3.50@3777.5,1247.8 J3.50@3787.5,1257.8 J5.2@3787.5,1097.5
GND_ISO: C14.2 C34.2 C54.2 C55.2 C56.2 C57.2 C58.2 C59.2 C60.2 C61.1 C62.1 C63.1 C64.1 C65.1 C66.2 C67.2 C68.2 C87.2 C88.2 J2.7 J3.6 J3.56 J7.2 J8.3 J8.5 J8.9 J11.7 J11.8 J11.17 J11.18 J11.25 J11.34 J14.2 R96.1 R97.1 U2.13 U11.2 U11.17 U11.46 U11.60 U15.3 | length 1405.7
  Top Layer w10: v1@146.87,2475.63 C66.2@146.87,2527.5 ; v1(270,2495) J8.3@270,2567.5 J8.5@320,2567.5 ; v1(420,2495) J8.9@420,2567.5 ; U11.2@1462.15,2725.93 v1@1536.57,2725.93 ; v1(1491.71,2362.97) U11.17@1529.37,2362.97 ; v1(1596.87,2880.63) 1607.81,2869.69 U11.60@1607.81,2812.54 ; v1(1822.5,2715) 1831.26,2706.24 U11.46@1891.28,2706.24 ; C68.2@2111.08,2182.97 C67.2@2111.08,2282.97
  Top Layer w20: U15.3@1486.87,2892.5 1486.87,2925 C87.2@1486.87,3000 ; v1(2166.87,3063.13) U2.13@2166.87,3195.63
  Bottom Layer w10: C65.1@1424.37,2920 C64.1@1686.87,2920 R96.1@1774.37,2920 1861.87,2920 ; v1(1596.87,2880.63) 1596.87,2917.5 C58.2@1599.37,2920
  Bottom Layer w20: C14.2@2124.99,3094.38 v1(2166.87,3094.38) C34.2@2208.75,3094.38
  other v1: 2111.71,2232.97 147.5,2475 1536.87,2725.63 1486.87,2955 2166.87,3128.13
GPIO0: J11.19 U11.19 | length 646.6
  Top Layer w10: J11.19@1432.5,1832.5 1385,1880 1385,2122.5 1568.44,2305.94 U11.19@1568.44,2383.41
GPIO1: J11.20 U11.20 | length 515.4
  Top Layer w10: J11.20@1432.5,1932.5 1432.5,2122.5 1588.13,2278.13 U11.20@1588.13,2383.41
GPIO2: J11.37 U11.44 | length 1198.2
  Top Layer w10: U11.44@1891.28,2666.87 2103.13,2666.87 2214.37,2555.63 2244.37,2555.63 2380,2420 2380,1880 J11.37@2332.5,1832.5
GPIO3: J11.38 U11.47 | length 1088.1
  Top Layer w10: U11.47@1891.28,2725.93 v1@1962.5,2725.93 ; v1(2093.12,2636.88) 2194.37,2535.63 2234.37,2535.63 2360,2410 2360,1960 J11.38@2332.5,1932.5
  Bottom Layer w10: v1(1962.5,2725) 2005,2725 v1(2093.12,2636.88)
GPIO17: J3.88
GPIO19: J3.89
GPIO21: J3.90
GPIO23: J3.91
GPIO31: J3.94
GPIO33: J3.95
I2C_TCLK0: J11.35 U11.36 | length 1098.6
  Top Layer w10: U11.36@1891.28,2509.39 v1@2041.87,2509.39 ; v1(2224.37,2505.63) 2340,2390 2340,2010 2282.5,1952.5 2282.5,1882.5 J11.35@2232.5,1832.5
  Bottom Layer w10: v1(2041.87,2505.63) v1(2224.37,2505.63)
I2C_TWD0: J11.36 U11.43 | length 1017.3
  Top Layer w10: U11.43@1891.28,2647.19 2042.81,2647.19 2320,2370 2320,2067.5 2232.5,1980 J11.36@2232.5,1932.5
NetC1_1: C1.1 U1.3 | length 297.5
  Top Layer w20: C1.1@4750.41,780 4750.41,945.41 4771.63,966.63 U1.3@4873.72,966.63
NetC1_2: C1.2 D1.1 L1.1 U1.1 | length 1528.6
  Top Layer w30: U1.1@4827.5,860 4827.5,735 4827.5,660 4782.5,615 4782.5,177.5 4922.5,177.5 U1.1@4922.5,865
NetC4_1: C4.1 U1.7 | length 132.2
  Top Layer w30: U1.7@4910,1167.5 v1(4910,1210)
  Bottom Layer w30: C4.1@4829.59,1187.5 4887.5,1187.5 v1(4910,1210)
NetC8_1: C8.1 R7.1 R8.2 U3.2 | length 371.5
  Top Layer w20: R8.2@2039.37,485 2039.37,551.87 ; C8.1@2039.37,585 2085,585 v1(2100,600) 2100,625 2137.5,662.5 2170,662.5 2200,692.5 U3.2@2200,731.73
  Bottom Layer w20: R7.1@2054.37,600 v1(2100,600)